# Altium PCB PT-MIS-PCB-001_v1.PcbDoc (part 1 of 2) (continued)
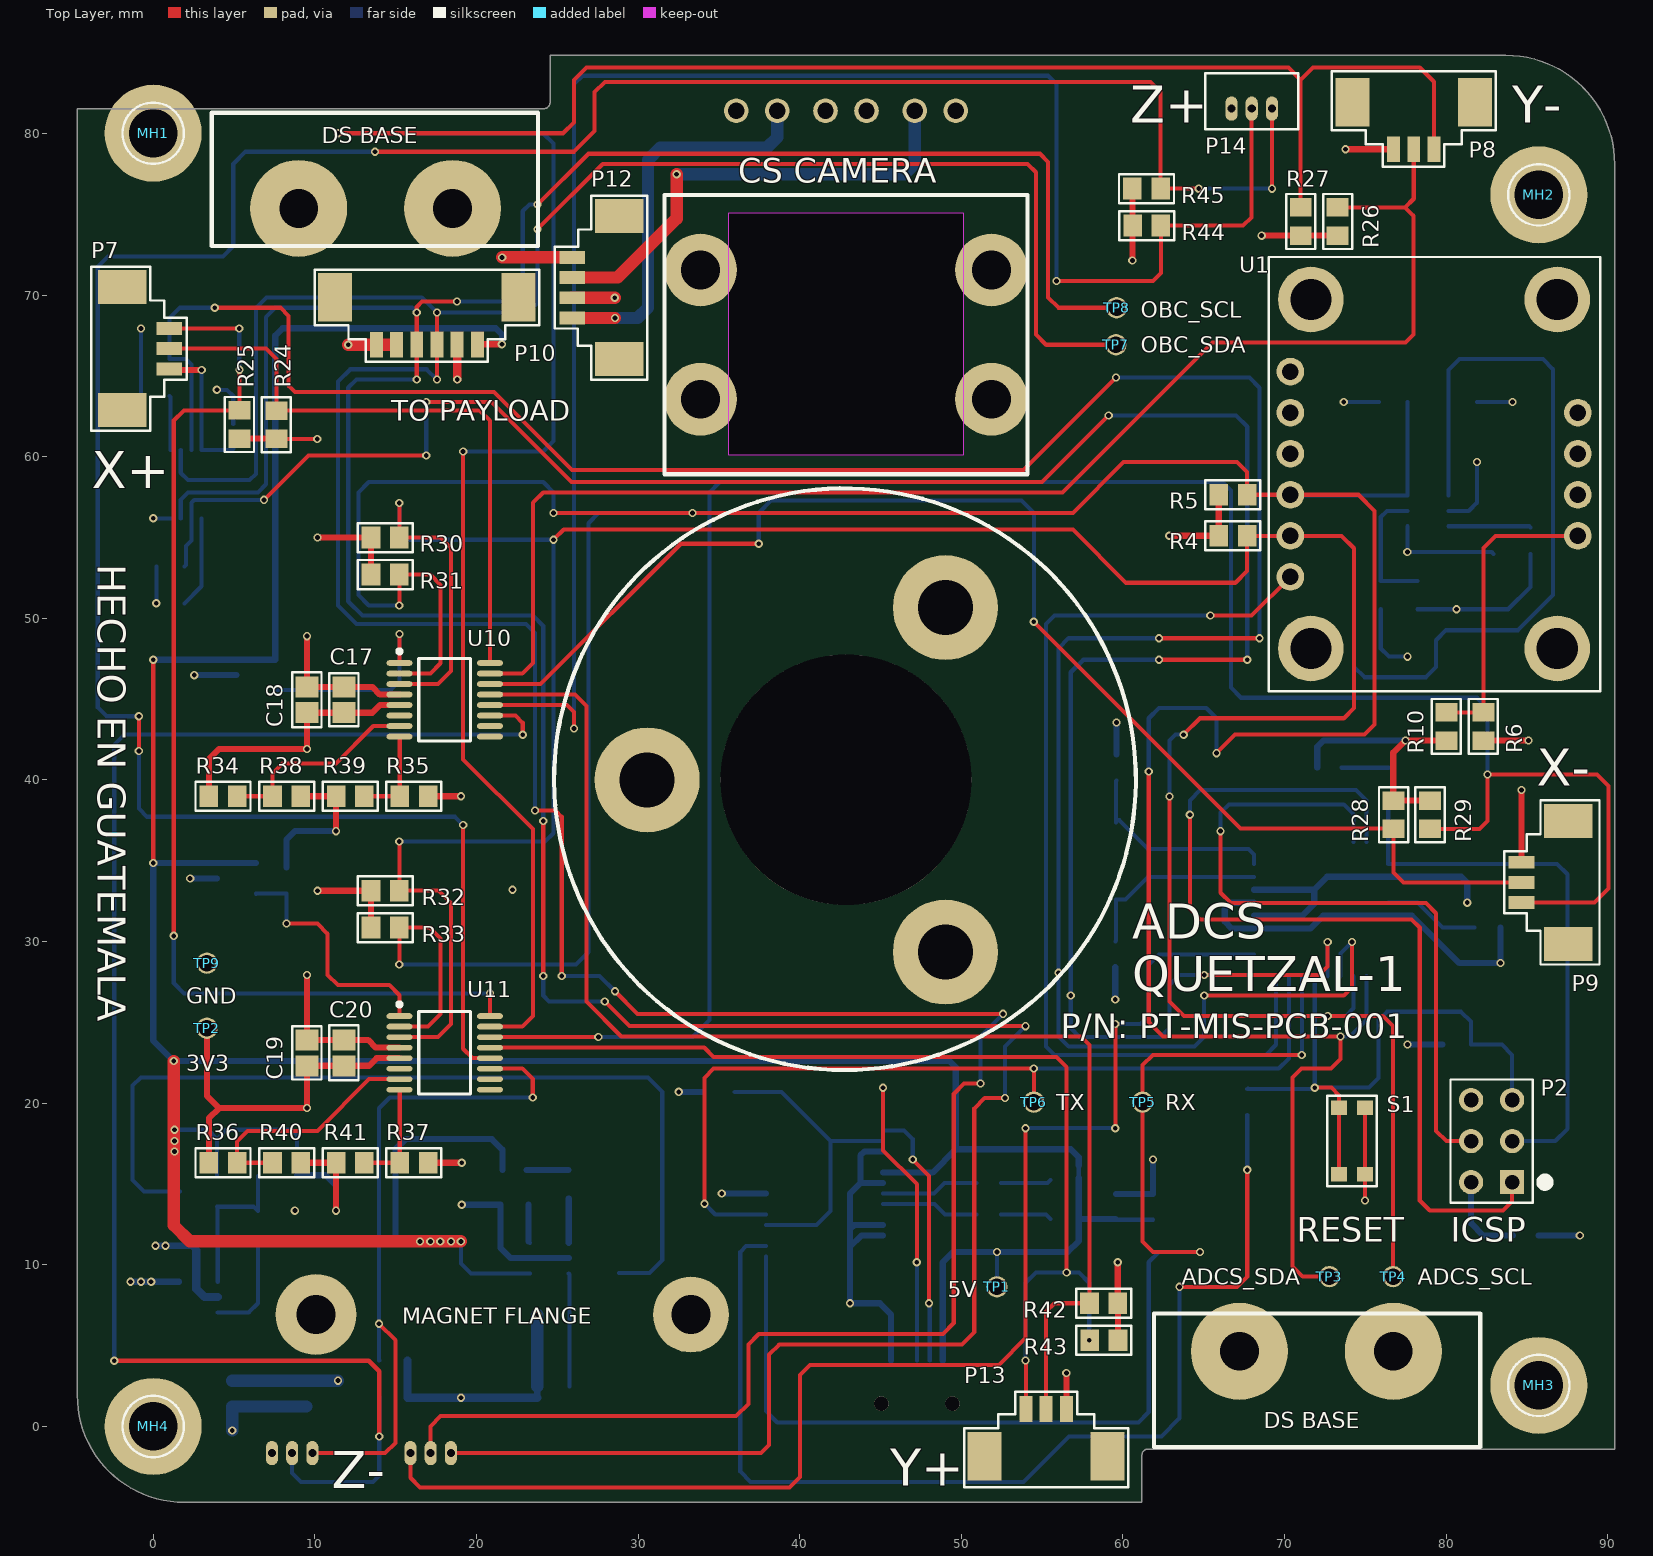
[diagram p0: Top Layer view]
## Components (designator, comment, footprint, x,y, rotation, side; value= is the part's Value field where it differs from the comment) (continued)
R11 "RC0805FR-0710KL" "RES 0805/2012" 78.213,51.435 r90 bottom
R12 "RPC0805JT100K" "RES 0805/2012" 8.89,16.417 r90 bottom
R13 "RNCP0805FTD1K00" "RES 0805/2012" 22.352,13.716 r180 bottom
R14 "RC0805FR-0710KL" "RES 0805/2012" 85.217,54.864 r90 bottom
R15 "RC0805FR-0710KL" "RES 0805/2012" 80.645,23.622 r180 bottom
R16 "RNCP0805FTD1K00" "RES 0805/2012" 56.388,12.827 r0 bottom
R17 "RNCP0805FTD1K00" "RES 0805/2012" 56.388,15.367 r0 bottom
R18 "RNCP0805FTD1K00" "RES 0805/2012" 76.418,39.878 r90 bottom
R19 "RC0805FR-0710ML" "RES 0805/2012" 64.389,34.859 r270 bottom
R20 "RR1220P-103-D" "RES 0805/2012" 0.127,63.754 r180 bottom
R21 "RR1220P-103-D" "RES 0805/2012" 0.127,66.04 r180 bottom
R22 "RR1220P-103-D" "RES 0805/2012" 1.067,53.213 r180 bottom
R23 "RPC0805JT100K" "RES 0805/2012" 1.067,50.927 r180 bottom
R24 "ERA6AEB5902V" "RES 0805/2012" 7.62,61.976 r90 top
R25 "ERA6AEB5902V" "RES 0805/2012" 5.334,61.99 r90 top
R26 "ERA6AEB5902V" "RES 0805/2012" 73.279,74.549 r90 top
R27 "ERA6AEB5902V" "RES 0805/2012" 70.993,74.549 r90 top
R28 "ERA6AEB5902V" "RES 0805/2012" 76.738,37.846 r270 top
R29 "ERA6AEB5902V" "RES 0805/2012" 78.994,37.846 r270 top
R30 "RR1220P-103-D" "RES 0805/2012" 14.351,54.991 r0 top
R31 "RR1220P-103-D" "RES 0805/2012" 14.351,52.705 r0 top
R32 "RR1220P-103-D" "RES 0805/2012" 14.351,33.147 r0 top
R33 "RR1220P-103-D" "RES 0805/2012" 14.351,30.861 r0 top
R34 "RR1220P-103-D" "RES 0805/2012" 4.318,38.989 r180 top
R35 "RR1220P-103-D" "RES 0805/2012" 16.129,38.989 r0 top
R36 "RR1220P-103-D" "RES 0805/2012" 4.318,16.316 r180 top
R37 "RR1220P-103-D" "RES 0805/2012" 16.129,16.316 r0 top
R38 "RR1220P-103-D" "RES 0805/2012" 8.255,38.989 r180 top
R39 "RR1220P-103-D" "RES 0805/2012" 12.192,38.989 r0 top
R40 "RR1220P-103-D" "RES 0805/2012" 8.255,16.316 r180 top
R41 "RR1220P-103-D" "RES 0805/2012" 12.192,16.316 r0 top
R42 "ERA6AEB5902V" "RES 0805/2012" 58.801,7.62 r180 top
R43 "ERA6AEB5902V" "RES 0805/2012" 58.815,5.334 r180 top
R44 "ERA6AEB5902V" "RES 0805/2012" 61.468,74.295 r0 top
R45 "ERA6AEB5902V" "RES 0805/2012" 61.454,76.581 r0 top
R46 "ERA6AEB5902V" "RES 0805/2012" 14.859,1.778 r180 bottom
R47 "ERA6AEB5902V" "RES 0805/2012" 14.859,4.08 r180 bottom
S1 "KMR631NGULCLFS" KMR631NGLFS 74.168,17.653 r90 top
TP1 "5V" TESTPOINT 52.197,8.636 r0 top
TP2 "3V3" Testpoint 3.324,24.638 r0 top
TP3 "ADCS_SDA" TESTPOINT 72.771,9.271 r0 top
TP4 "ADCS_ SCL" TESTPOINT 76.708,9.271 r0 top
TP5 "TX" TESTPOINT 61.214,20.066 r0 top
TP6 "RX" TESTPOINT 54.483,20.066 r0 top
TP7 "OBC_SDA" Testpoint 59.563,66.925 r90 top
TP8 "OBC_SCL" Testpoint 59.601,69.215 r90 top
TP9 "GND" TESTPOINT 3.324,28.664 r0 top
U1 "2472" "ADAFRUIT BNO055" 79.248,58.928 r0 top
U2 "TMP100AQDBVRQ1" SOT95P245X145-6N 78.867,56.642 r180 bottom
U3 "MCP73831T-2ATI/OT" SOT95P245X110-5N 24.511,10.414 r180 bottom
U4 "AP2112K-3.3TRG1" "DIODES SOT-23-5 W5" 2.794,8.001 r180 bottom
U5 "ATMEGA328P-AURCT-ND" 32A_L 72.263,32.004 r0 bottom
U6 "FT232RL-REEL" SOP65P790X200-28N 41.529,14.732 r0 bottom
U7 "LM4120AIM5-3.3/NOPB" SOT95P245X110-5N 6.35,46.482 r0 bottom
U8 "LM4120AIM5-3.3/NOPB" SOT95P245X110-5N 5.15,33.909 r0 bottom
U9 "TCA4311ADGKR" 8-MSOP 2.032,58.293 r90 bottom
U10 "ADC128D818CIMTX/NOPB" TSOP65P640X120-16N 18.034,44.958 r0 top
U11 "ADC128D818CIMTX/NOPB" TSOP65P640X120-16N 18.034,23.114 r0 top
Y1 "8MHz" ABM7-16.000MHZ-D2Y-T 59.563,34.925 r90 bottom

## Footprints (in the part's own frame and the unit in brackets; to place one, negate y for a bottom-side part, rotate by r counter-clockwise, add the part's x,y. Pads: shape width x height; smd on the part's side, far side on the other; paste and mask are expansions set on the pad)
8-MSOP [mil]
  rect 56x18 smd: 1(-83,38) 2(-83,13) 3(-83,-13) 4(-83,-38) 5(83,-38) 6(83,-13) 7(83,13) 8(83,38)
  silkscreen extent -86,-63 49,73, body extent -96,-59 96,59, height 38
32A_L [mm] "Thin QFP, 32-Leads, Body 7x7mm, Pitch 0.8mm, IPC High Density"
  oval 1.35x0.55 smd: 1(-4.15,2.8) 2(-4.15,2) 3(-4.15,1.2) 4(-4.15,0.4) 5(-4.15,-0.4) 6(-4.15,-1.2) 7(-4.15,-2) 8(-4.15,-2.8) 17(4.15,-2.8) 18(4.15,-2) 19(4.15,-1.2) 20(4.15,-0.4) 21(4.15,0.4) 22(4.15,1.2) 23(4.15,2) 24(4.15,2.8)
  oval 0.55x1.35 smd: 9(-2.8,-4.15) 10(-2,-4.15) 11(-1.2,-4.15) 12(-0.4,-4.15) 13(0.4,-4.15) 14(1.2,-4.15) 15(2,-4.15) 16(2.8,-4.15) 25(2.8,4.15) 26(2,4.15) 27(1.2,4.15) 28(0.4,4.15) 29(-0.4,4.15) 30(-1.2,4.15) 31(-2,4.15) 32(-2.8,4.15)
  silkscreen extent -4.27,-3.05 3.05,3.75, body extent -4.5,-4.5 4.5,4.5, height 1.44
67997-106HLF [mm]
  rect 1.5x1.5 hole 0.9: 1(-2.54,-1.27)
  round 1.5 hole 0.9: 2(-2.54,1.27) 3(0,-1.27) 4(0,1.27) 5(2.54,-1.27) 6(2.54,1.27)
  silkscreen extent -3.81,-2.54 3.81,2.54, body extent -3.81,-2.54 3.81,2.54, height 5.94
0530470310 [mm] "CONN HEADER 3POS 1.25MM VERT TIN"
  oval 0.75x1.5 hole 0.5: 1(-1.25,0) 2(0,0) 3(1.25,0)
  silkscreen extent -2.88,-2.17 2.88,1.28, body extent -2.75,-2.05 2.75,1.15, height 4.23
0532610371 [mm] "CONN HEADER 3POS 1.25MM R/A SMD"
  rect 2.1x3 smd: 0(-3.8,-1.45) 0(3.8,-1.45)
  rect 0.8x1.6 smd: 1(-1.25,1.45) 2(0,1.45) 3(1.25,1.45)
  silkscreen extent -5.07,-3.37 5.07,2.53, body extent -4.45,-3.28 4.45,1.92, height 3.38
0533980471 [mm] "CONN HEADER 4POS 1.25MM VERT SMD"
  rect 2.1x3 smd: 0(-4.425,-1.45) 0(4.425,-1.45)
  rect 0.8x1.6 smd: 1(-1.875,1.45) 2(-0.625,1.45) 3(0.625,1.45) 4(1.875,1.45)
  silkscreen extent -5.7,-3.18 5.7,2.53, body extent -5.08,-2.78 5.07,1.42, height 4.74
0533980671 [mm] "CONN HEADER 6POS 1.25MM VERT SMD"
  rect 2.1x3 smd: 0(-8.8,-2.925) 0(2.55,-2.925)
  rect 0.8x1.6 smd: 1(-6.25,-0.025) 2(-5,-0.025) 3(-3.75,-0.025) 4(-2.5,-0.025) 5(-1.25,0) 6(0,0)
  silkscreen extent -10.08,-4.65 3.83,1.05, body extent -9.45,-4.33 3.2,-0.13, height 4.68
61300211121 [mil]
  round 60 hole 40: 1(-50,0) 2(50,0)
  silkscreen extent -103,-53 103,53, body extent -100,-50 100,50, height 335
ABM7-16.000MHZ-D2Y-T [mm]
  rect 1.9x2.6 smd: 1(-2.45,0) 2(2.45,0)
  silkscreen extent -3.59,-1.78 3.65,2.03, body extent -3.09,-1.62 3.01,1.88, height 1.44
"ADAFRUIT BNO055" [mm]
  round 4.06 hole 2.54: 0(-7.62,-10.795) 0(-7.62,10.795) 0(7.62,-10.795) 0(7.62,10.795)
  round 1.71 hole 1.016: 1(-8.89,6.335) 2(-8.89,3.795) 3(-8.89,1.255) 4(-8.89,-1.285) 5(-8.89,-3.825) 6(-8.89,-6.365) 7(8.89,3.795) 8(8.89,1.255) 9(8.89,-1.285) 10(8.89,-3.825)
  silkscreen extent -10.23,-13.45 10.28,13.42, body extent -10.13,-13.35 10.19,13.32, height 6.69
"CAP 0805/2012" [mm]
  rect 1.3x1.4 smd: 1(-0.8,0) 2(0.8,0)
  silkscreen extent -1.65,-0.9 1.65,0.9, body extent -1,-0.64 1,0.64, height 1.26
"CAP 0805/2012 TANTALUM" [mm] "Chip Capacitor, 2-Leads, Body 2.00x1.20mm, IPC Medium Density"
  rect 1.3x1.4 smd: 1(-0.8,0) 2(0.8,0)
  silkscreen extent -1.7,-0.9 1.7,0.9, body extent -1.03,-0.62 1.03,0.63, height 1.09
"DIODES SOT-23-3" [mm] "SOT23, 3-Leads, Body 2.90x2.40mm, Pitch 0.95mm, IPC Medium Density"
  rect 0.95x0.65 smd: 1(-1.15,0.95) 2(1.15,0) 3(-1.15,-0.95)
  silkscreen extent -1.28,-1.5 0.7,1.95, body extent -1.41,-1.45 1.41,1.45, height 1.5
"DIODES SOT-23-5 W5" [mm] "SOT23, 5-Leads, Body 3.00x2.85mm, Pitch 0.95mm, IPC Medium Density"
  rect 0.8x0.55 smd: 1(-1.2,0.95) 2(-1.2,0) 3(-1.2,-0.95) 4(1.2,-0.95) 5(1.2,0.95)
  silkscreen extent -1.32,-1.55 0.45,1.9, body extent -1.41,-1.45 1.41,1.45, height 1.5
"FCI USB 10033526-N3212LF" [mm]
  rect 0.5x2.25 smd: 1(1.6,-3.826) 2(0.8,-3.826) 3(0,-3.826) 4(-0.8,-3.826) 5(-1.6,-3.826)
  round 0.9 hole 0.9 unplated: M(-2.2,-1.151) M(2.2,-1.151)
  rrect50% 2x2.5 smd: S(-4.45,-3.731) S(-4.45,1.719) S(4.45,-3.731) S(4.45,1.719)
  silkscreen extent -4.95,-4.7 4.95,4.69, body extent -4.95,-4.7 4.95,4.7, height 4.01
KMR631NGLFS [mm]
  rect 0.9x1 smd: 1(-2.05,0.8) 1(2.05,0.8) 2(-2.05,-0.8) 2(2.05,-0.8)
  silkscreen extent -2.79,-1.52 2.79,1.52, body extent -2.3,-1.4 2.3,1.4, height 1.92
"LED 0603/1608 GREEN" [mm] "Chip Diode, 2-Leads, Body 1.60x0.80mm, IPC Medium Density"
  rect 0.8x0.8 smd: 1(-0.75,0) 2(0.75,0)
  silkscreen extent -1.52,-0.7 1.52,0.7, body extent -0.8,-0.4 0.8,0.4, height 0.53
"LED 0603/1608 YELLOW" [mm] "Chip Diode, 2-Leads, Body 1.60x0.80mm, IPC Medium Density"
  rect 0.8x0.8 smd: 1(-0.75,0) 2(0.75,0)
  silkscreen extent -1.52,-0.7 1.52,0.7, body extent -0.8,-0.4 0.8,0.4, height 0.53
MH_3.8MMNC_2.5MMD_NON_COPPER_NPTH [mm] "Mounting Hole 3.8mm Diameter, 2.5mm Drill TH"
  round 6 hole 3: 1(0,0)
  silkscreen extent -1.9,-1.9 1.9,1.9
"RES 0805/2012" [mm]
  rect 1.15x1.35 smd: 1(-0.875,0) 2(0.875,0)
  silkscreen extent -1.7,-0.9 1.7,0.9, body extent -0.95,-0.62 1.05,0.63, height 0.6
S2B-PH-SM4-TB(LF)(SN) [mm]
  rect 1x4.6 smd: 1(1,2.6) 2(-1,2.6)
  rect 1.6x3.4 smd: ""(-3.4,-2.6) ""(3.4,-2.6)
  silkscreen extent -4.32,-4.32 4.06,4.06, body extent -4.08,-4.2 3.82,4.46, height 5.5
SOD123F [mm] "SODFL, 2-Leads, Body 1.60x3.50mm, IPC Medium Density"
  rect 1.2x1.2 smd: 1(-1.43,0) 2(1.43,0)
  silkscreen extent -2.41,-1.02 2.41,1.02, body extent -1.75,-0.8 1.75,0.8, height 1.1
SOP65P790X200-28N [mm] "SOP, 28-Leads, Body 10.20x5.30mm, Pitch 0.65mm, IPC Medium Density"
  oval 1.65x0.5 smd: 1(-3.625,4.225) 2(-3.625,3.575) 3(-3.625,2.925) 4(-3.625,2.275) 5(-3.625,1.625) 6(-3.625,0.975) 7(-3.625,0.325) 8(-3.625,-0.325) 9(-3.625,-0.975) 10(-3.625,-1.625) 11(-3.625,-2.275) 12(-3.625,-2.925) 13(-3.625,-3.575) 14(-3.625,-4.225) 15(3.625,-4.225) 16(3.625,-3.575) 17(3.625,-2.925) 18(3.625,-2.275) 19(3.625,-1.625) 20(3.625,-0.975) 21(3.625,-0.325) 22(3.625,0.325) 23(3.625,0.975) 24(3.625,1.625) 25(3.625,2.275) 26(3.625,2.925) 27(3.625,3.575) 28(3.625,4.225)
  silkscreen extent -3.75,-5.25 2.4,5.25, body extent -3.9,-5.1 3.9,5.1, height 1.9
SOT95P245X110-5N [mm] "SOT23, 5-Leads, Body 2.90x2.45mm, Pitch 0.95mm, IPC Medium Density"
  rect 1x0.6 smd: 1(-1.2,0.95) 2(-1.2,0) 3(-1.2,-0.95) 4(1.2,-0.95) 5(1.2,0.95)
  silkscreen extent -1.33,-1.5 0.3,1.92, body extent -1.36,-1.45 1.36,1.45, height 1.19
SOT95P245X145-6N [mm]
  rect 0.8x0.6 smd: 1(-1.275,0.95) 2(-1.275,0) 3(-1.275,-0.95) 4(1.275,-0.95) 5(1.275,0) 6(1.275,0.95)
  silkscreen extent -1.4,-1.55 0.5,1.92, body extent -1.21,-1.39 1.21,1.4, height 1.09
TESTPOINT [mil]
  round 52 hole 40: 1(0,0)
Testpoint [mil]
  round 52 hole 40: 1(0,0)
TSOP65P640X120-16N [mm] "TSOP, 16-Leads, Body 5.00x4.40mm, Pitch 0.65mm, IPC Medium Density"
  oval 1.6x0.35 smd: 1(-2.8,2.275) 2(-2.8,1.625) 3(-2.8,0.975) 4(-2.8,0.325) 5(-2.8,-0.325) 6(-2.8,-0.975) 7(-2.8,-1.625) 8(-2.8,-2.275) 9(2.8,-2.275) 10(2.8,-1.625) 11(2.8,-0.975) 12(2.8,-0.325) 13(2.8,0.325) 14(2.8,0.975) 15(2.8,1.625) 16(2.8,2.275)
  silkscreen extent -2.92,-2.55 1.6,3.12, body extent -3.21,-2.5 3.21,2.5, height 1.2

## Part data
C1 C4: "CAP CER 1UF 16V X7R 0805", Capacitance=1µF, Manufacturer=Yageo, Operating Temperature="-55°C ~ 125°C", Package / Case="0805 (2012 Metric)", Ratings=-, Standard Package=1, Supplier Part Number 1=311-1365-1-ND, Temperature Coefficient=X7R, Tolerance=±10%, Voltage - Rated=16V, Applications="General Purpose", Catalog Drawings=CC_0805_1.25, Category=Capacitors, ComponentLink1Description=https://datasheet.ciiva.com/144/mlccorderingcode-144902.pdf, ComponentLink1URL=https://datasheet.ciiva.com/144/mlccorderingcode-144902.pdf, ComponentLink2Description=https://datasheet.ciiva.com/13173/upy-gp-np0-16v-to-50v-8-3714-13173254.pdf, ComponentLink2URL=https://datasheet.ciiva.com/13173/upy-gp-np0-16v-to-50v-8-3714-13173254.pdf, ComponentLink3Description=https://datasheet.ciiva.com/15189/getdatasheetpartid-251802-15189206.pdf, ComponentLink3URL=https://datasheet.ciiva.com/15189/getdatasheetpartid-251802-15189206.pdf, ComponentLink4Description=https://datasheet.ciiva.com/144/mlccorderingcode-144903.pdf, ComponentLink4URL=https://datasheet.ciiva.com/144/mlccorderingcode-144903.pdf, ComponentLink5Description=https://datasheet.ciiva.com/144/mlccorderingcode-144904.pdf, ComponentLink5URL=https://datasheet.ciiva.com/144/mlccorderingcode-144904.pdf, ComponentLink6Description=https://datasheet.ciiva.com/7978/1489800-7978201.pdf, ComponentLink6URL=https://datasheet.ciiva.com/7978/1489800-7978201.pdf, ComponentLink7Description=https://datasheet.ciiva.com/28450/1489800-28450750.pdf, ComponentLink7URL=https://datasheet.ciiva.com/28450/1489800-28450750.pdf, ComponentLink8Description=https://datasheet.ciiva.com/11464/upy-gphc-x7r-6-3v-to-50v-8-11464750.pdf, ComponentLink8URL=https://datasheet.ciiva.com/11464/upy-gphc-x7r-6-3v-to-50v-8-11464750.pdf, Family="Ceramic Capacitors", Featured Product="Yageo - High Capacitance MLCC", Features=-, Height - Seated (Max)=-, Lead Spacing=-, Lead Style=-, Manufacturer Part Number=CC0805KKX7R7BB105, Mounting Type="Surface Mount, MLCC", Online Catalog="CC Series", Other Names=311-1365-6, Packaging=Digi-Reel®, Pricing 1="1=0.11, 10=0.079, 100=0.0352, 500=0.0252, 1000=0.0198 (USD)", Series=CC, Size / Dimension="0.079\" L x 0.049\" W (2.00mm x 1.25mm)", Stock 1=1004673, Supplier 1=Digi-Key, Thickness (Max)="0.049\" (1.25mm)"
C2 C3 C5 C10: "CAP CER 10UF 10V X5R 0805", Capacitance=10µF, Manufacturer="Taiyo Yuden", Operating Temperature="-55°C ~ 85°C", Package / Case="0805 (2012 Metric)", PCN Part Number="X5R, X7R Dielectrics 23/Jan/2008", Ratings=-, Standard Package=1, Supplier Part Number 1=587-1300-1-ND, Temperature Coefficient=X5R, Tolerance=±10%, Voltage - Rated=10V, Applications="General Purpose", Catalog Drawings="xMK Series_0805_1.25", Category=Capacitors, ComponentLink1Description=https://datasheet.ciiva.com/26872/getdatasheetpartid-638410-26872692.pdf, ComponentLink1URL=https://datasheet.ciiva.com/26872/getdatasheetpartid-638410-26872692.pdf, ComponentLink2Description=https://datasheet.ciiva.com/7975/1497285-7975797.pdf, ComponentLink2URL=https://datasheet.ciiva.com/7975/1497285-7975797.pdf, ComponentLink3Description=https://datasheet.ciiva.com/7975/1497285-7975799.pdf, ComponentLink3URL=https://datasheet.ciiva.com/7975/1497285-7975799.pdf, ComponentLink4Description=https://datasheet.ciiva.com/135/mlcc-all-e-135133.pdf, ComponentLink4URL=https://datasheet.ciiva.com/135/mlcc-all-e-135133.pdf, ComponentLink5Description=https://datasheet.ciiva.com/135/mlcc-all-e-135134.pdf, ComponentLink5URL=https://datasheet.ciiva.com/135/mlcc-all-e-135134.pdf, ComponentLink6Description=https://datasheet.ciiva.com/30259/719lmk212abj106kg-t-30259022.pdf, ComponentLink6URL=https://datasheet.ciiva.com/30259/719lmk212abj106kg-t-30259022.pdf, ComponentLink7Description=https://datasheet.ciiva.com/135/mlcc-all-e-135135.pdf, ComponentLink7URL=https://datasheet.ciiva.com/135/mlcc-all-e-135135.pdf, Family="Ceramic Capacitors", Featured Product="Multilayer Chip Capacitors", Features=-, Height - Seated (Max)=-, Kits="587-1797-KIT-ND  - KIT CAP CER HI CAP 0603 & 0805 S", Lead Spacing=-, Lead Style=-, Manufacturer Part Number=LMK212BJ106KG-T, Mounting Type="Surface Mount, MLCC", Online Catalog="M Series", Other Names=587-1300-1, Packaging="Cut Tape (CT)", Pricing 1="1=0.14, 10=0.1, 100=0.0468, 500=0.0328, 1000=0.0272 (USD)", Series=M, Size / Dimension="0.079\" L x 0.049\" W (2.00mm x 1.25mm)", Stock 1=858762, Supplier 1=Digi-Key, Thickness (Max)="0.053\" (1.35mm)"
C6 C7 C8: "CAP CER 0.1UF 50V X7R 0805", Capacitance=0.1µF, Manufacturer=TDK, Operating Temperature="-55°C ~ 125°C", Package / Case="0805 (2012 Metric)", PCN Part Number="MLCC Part Number Change 30/Nov/2012", Ratings=-, Standard Package=1, Supplier Part Number 1=445-7534-1-ND, Temperature Coefficient=X7R, Tolerance=±10%, Voltage - Rated=50V, Applications="General Purpose", Category=Capacitors, ComponentLink1Description=https://datasheet.ciiva.com/11788/0900766b80c1bb00-11788128.pdf, ComponentLink1URL=https://datasheet.ciiva.com/11788/0900766b80c1bb00-11788128.pdf, ComponentLink2Description=https://datasheet.ciiva.com/6250/tdkmlcccaprange-6250821.pdf, ComponentLink2URL=https://datasheet.ciiva.com/6250/tdkmlcccaprange-6250821.pdf, ComponentLink3Description=https://datasheet.ciiva.com/24217/c2012x7r1h104k085aa-264864-24217862.pdf, ComponentLink3URL=https://datasheet.ciiva.com/24217/c2012x7r1h104k085aa-264864-24217862.pdf, ComponentLink4Description=https://datasheet.ciiva.com/24191/e412-c-24191447.pdf, ComponentLink4URL=https://datasheet.ciiva.com/24191/e412-c-24191447.pdf, ComponentLink5Description=https://datasheet.ciiva.com/6250/tdkmlcccaprange-6250824.pdf, ComponentLink5URL=https://datasheet.ciiva.com/6250/tdkmlcccaprange-6250824.pdf, ComponentLink6Description=https://datasheet.ciiva.com/23803/1796654-23803035.pdf, ComponentLink6URL=https://datasheet.ciiva.com/23803/1796654-23803035.pdf, ComponentLink7Description=https://datasheet.ciiva.com/28602/1571323-28602204.pdf, ComponentLink7URL=https://datasheet.ciiva.com/28602/1571323-28602204.pdf, Family="Ceramic Capacitors", Features=-, Height - Seated (Max)=-, Kits="445-9015-KIT-ND  - KIT MLCC 1000PF-47UF 0805 10-50V", Lead Spacing=-, Lead Style=-, Manufacturer Part Number=C2012X7R1H104K085AA, Mounting Type="Surface Mount, MLCC", Online Catalog="C Series, General Purpose", Other Names=445-7534-1, Packaging="Cut Tape (CT)", Pricing 1="1=0.12, 10=0.086, 100=0.0403, 500=0.0282, 1000=0.0234 (USD)", Product Training Modules="C Series General Applications SEAT, CCV, and TVCL Design Tools Guide to Replacing an Electrolytic Capacitor with an MLCC", RoHS Information="RoHS Certificate-MLCC", Series=C, Size / Dimension="0.079\" L x 0.049\" W (2.00mm x 1.25mm)", Stock 1=6397, Supplier 1=Digi-Key, Thickness (Max)="0.037\" (0.95mm)"
C9 C14 C16 C17 C19: "Multilayer Ceramic Capacitors MLCC - SMD/SMT 25volts 0.1uF Y5V -20+80%", Capacitance=0.1µF, Capacitance - nF="100 nF", Capacitance - pF="100000 pF", Case Code - in=0805, Case Code - mm=2012, Case Height="0.9 mm", Case Length="2 mm", Case Width="1.2 mm", Dielectric=Y5V, Manufacturer=KEMET, Maximum Operating Temperature="+ 85 C", Minimum Operating Temperature="- 30 C", Operating Temperature Range="- 30 C to + 85 C", Package / Case="0805 (2012 metric)", Supplier Part Number 1=399-9158-1-ND, Temperature Coefficient / Code="- 82 %, + 22 %", Tolerance="- 20 %, + 80 %", Voltage Rating="25 V", Brand=Kemet, Class=3, ComponentLink1Description=http://www.farnell.com/datasheets/2112180.pdf, ComponentLink1URL=http://www.farnell.com/datasheets/2112180.pdf, ComponentLink2Description=http://www.mouser.com/ds/2/212/KEM_C1005_Y5V_SMD-1101305.pdf, ComponentLink2URL=http://www.mouser.com/ds/2/212/KEM_C1005_Y5V_SMD-1101305.pdf, ComponentLink3Description=https://search.kemet.com/component-edge/download/datasheet/C0805C104Z3VACTU.pdf, ComponentLink3URL=https://search.kemet.com/component-edge/download/datasheet/C0805C104Z3VACTU.pdf, ComponentLink4Description=http://capacitoredge.kemet.com/capedge2/DataSheet?pn=C0805C104Z3VACTU, ComponentLink4URL=http://capacitoredge.kemet.com/capedge2/DataSheet?pn=C0805C104Z3VACTU, ComponentLink5Description=http://components.arrow.com/part/dataview/2091117S3443012N7429, ComponentLink5URL=http://components.arrow.com/part/dataview/2091117S3443012N7429, Dimensions="1.2 mm W x 2 mm L x 0.9 mm H", Dissipation Factor DF=7, Factory Pack Quantity=4000, Lead Spacing="0.75 mm", Manufacturer Part Number=C0805C104Z3VACTU, Packaging=Reel, Part # Aliases=C0805C104Z3VAC7800, Pricing 1="1=0.1, 10=0.065, 100=0.0289, 500=0.0207, 1000=0.0162 (USD)", Product="General Type MLCCs", Product Category="Multilayer Ceramic Capacitors MLCC - SMD/SMT", RoHS=Details, Series=C0805C, Stock 1=70310, Supplier 1=Digi-Key, Termination Style=SMD/SMT, Type="Y5V Dielectric, Commercial", Voltage Rating DC="25 V"
C11 C12: "CAP CER 0.022UF 50V X7R 0402", Capacitance=0.022µF, Case Size="0402 (1005 Metric)", Dielectric=X7R, Manufacturer=Murata, Rated Voltage="50 V", Supplier Part Number 1=490-4763-1-ND, Tolerance (%)="±10 %", ComponentLink1Description=https://datasheet.ciiva.com/155/product-155890.pdf, ComponentLink1URL=https://datasheet.ciiva.com/155/product-155890.pdf, ComponentLink2Description=https://datasheet.ciiva.com/155/product-155891.pdf, ComponentLink2URL=https://datasheet.ciiva.com/155/product-155891.pdf, ComponentLink3Description=https://datasheet.ciiva.com/155/product-155892.pdf, ComponentLink3URL=https://datasheet.ciiva.com/155/product-155892.pdf, ComponentLink4Description=https://datasheet.ciiva.com/16199/product-16199333.pdf, ComponentLink4URL=https://datasheet.ciiva.com/16199/product-16199333.pdf, ComponentLink5Description=https://datasheet.ciiva.com/16624/product-16624552.pdf, ComponentLink5URL=https://datasheet.ciiva.com/16624/product-16624552.pdf, Manufacturer Part Number=GCM155R71H223KA55D, Pricing 1="1=0.1, 10=0.042, 100=0.0186, 500=0.0133, 1000=0.0104, 2500=0.0095, 5000=0.0087 (USD)", Stock 1=1313391, Supplier 1=Digi-Key
C13 C15: "CAP CER 18PF 50V NP0 0805", Capacitance=18pF, Case Style="Ceramic Chip", Manufacturer=KEMET, Operating Temp Range="-55C to 125C", Package / Case=0805, Supplier Part Number 1=399-1112-1-ND, Temp Coeff (Dielectric)=C0G, Tolerance (+ or -)=5%, Voltage=50VDC, ComponentLink1Description=https://datasheet.ciiva.com/6136/1725432-6136736.pdf, ComponentLink1URL=https://datasheet.ciiva.com/6136/1725432-6136736.pdf, ComponentLink2Description=https://datasheet.ciiva.com/144/docfinderpartnumber-c0805c180j5gactu-144929.pdf, ComponentLink2URL=https://datasheet.ciiva.com/144/docfinderpartnumber-c0805c180j5gactu-144929.pdf, ComponentLink3Description=https://datasheet.ciiva.com/22746/1769375-22746770.pdf, ComponentLink3URL=https://datasheet.ciiva.com/22746/1769375-22746770.pdf, ComponentLink4Description=https://datasheet.ciiva.com/28696/1789732-28696024.pdf, ComponentLink4URL=https://datasheet.ciiva.com/28696/1789732-28696024.pdf, ComponentLink5Description=https://datasheet.ciiva.com/7842/1725432-7842235.pdf, ComponentLink5URL=https://datasheet.ciiva.com/7842/1725432-7842235.pdf, ComponentLink6Description=https://datasheet.ciiva.com/11463/kem-c1003-c0g-smd-11463499.pdf, ComponentLink6URL=https://datasheet.ciiva.com/11463/kem-c1003-c0g-smd-11463499.pdf, ComponentLink7Description=https://datasheet.ciiva.com/7842/1725432-7842236.pdf, ComponentLink7URL=https://datasheet.ciiva.com/7842/1725432-7842236.pdf, ComponentLink8Description=https://datasheet.ciiva.com/26923/getdatasheetpartid-759702-26923980.pdf, ComponentLink8URL=https://datasheet.ciiva.com/26923/getdatasheetpartid-759702-26923980.pdf, ComponentLink9Description=https://datasheet.ciiva.com/5419/kem-c1003-c0g-smd-356956-5419246.pdf, ComponentLink9URL=https://datasheet.ciiva.com/5419/kem-c1003-c0g-smd-356956-5419246.pdf, Construction="SMT Chip", Failure Rate="Not Required", Manufacturer Part Number=C0805C180J5GAC-TU, Mounting Style="Surface Mount", Packaging="Tape and Reel", Pricing 1="1=0.11, 10=0.08, 100=0.0374, 500=0.0262, 1000=0.0217 (USD)", Product Depth (mm)="1.25 mm", Product Diameter (mm)="Not Required mm", Product Height (mm)="0.78 mm", Product Length (mm)="2 mm", Rad Hardened=No, Stock 1=86172, Supplier 1=Digi-Key, Wire Form="Not Required"
C18 C20: "CAP TANT 1UF 16V 20% 0805", Capacitance=1µF, Manufacturer="Kyocera AVX", Supplier Part Number 1=478-8126-6-ND, ComponentLink1Description=http://www.mouser.com/ds/2/40/f92-776551.pdf, ComponentLink1URL=http://www.mouser.com/ds/2/40/f92-776551.pdf, ComponentLink2Description=http://datasheets.avx.com/f92.pdf, ComponentLink2URL=http://datasheets.avx.com/f92.pdf, Manufacturer Part Number=F921C105MPA, Pricing 1="1=0.39, 10=0.274, 100=0.1641, 500=0.1231, 1000=0.1039 (USD)", Stock 1=35413, Supplier 1=Digi-Key
D1 D3 D5: "LED 1.6X0.8MM 590NM YLW CLR SMD", Color=Yellow, Current - Test=20mA, Manufacturer=Kingbright, Millicandela Rating=150mcd, Package / Case="0603 (1608 Metric)", Standard Package=2,000, Supplier Part Number 1=754-1124-1-ND, Voltage - Forward (Vf) (Typ)=2V, 3D Model="APT1608x.sldprt /  / APT1608x.pro /  / APT1608x.igs /  / APT1608x.stp", Catalog Drawings="APT1608 Series Top /  / APT1608 Series Side", Category=Optoelectronics, ComponentLink1Description=https://datasheet.ciiva.com/2113/apt1608syck-2113824.pdf, ComponentLink1URL=https://datasheet.ciiva.com/2113/apt1608syck-2113824.pdf, ComponentLink2Description=https://datasheet.ciiva.com/2113/apt1608syck-2113825.pdf, ComponentLink2URL=https://datasheet.ciiva.com/2113/apt1608syck-2113825.pdf, ComponentLink3Description=https://datasheet.ciiva.com/2113/apt1608syck-2113826.pdf, ComponentLink3URL=https://datasheet.ciiva.com/2113/apt1608syck-2113826.pdf, ComponentLink4Description=https://datasheet.ciiva.com/4688/apt1608syck-35136-4688900.pdf, ComponentLink4URL=https://datasheet.ciiva.com/4688/apt1608syck-35136-4688900.pdf, ComponentLink5Description=https://datasheet.ciiva.com/14603/70062842-14603786.pdf, ComponentLink5URL=https://datasheet.ciiva.com/14603/70062842-14603786.pdf, Family="LED Indication - Discrete", Height=0.75mm, Lens Style/Size="Rectangle with Flat Top, 1.2mm x 0.8mm", Lens Type=Clear, Manufacturer Part Number=APT1608SYCK, Mounting Type="Surface Mount", Online Catalog="0603 Rectangle with Flat Top Chip LEDs", Other Names=754-1124-2, Packaging="Tape & Reel (TR)", Pricing 1="1=0.43, 10=0.307, 25=0.2352, 100=0.1535, 250=0.1125, 500=0.0955, 1000=0.0784 (USD)", Size / Dimension="1.60mm L x 0.80mm W", Stock 1=241560, Supplier 1=Digi-Key, Viewing Angle=120°, Wavelength - Dominant=590nm, Wavelength - Peak=590nm
D2: "Schottky Diodes & Rectifiers 1A 20V", Capacitance @ Vr, F=-, Current - Average Rectified (Io)=1A, Current - Reverse Leakage @ Vr="600µA @ 20V", Manufacturer="ON Semiconductor", Operating Temperature - Junction="-65°C ~ 125°C", Package / Case=SOD-123F, Standard Package=1, Supplier Device Package=SOD-123FL, Supplier Part Number 1=MBR120VLSFT3GOSCT-ND, Voltage - DC Reverse (Vr) (Max)=20V, Voltage - Forward (Vf) (Max) @ If="340mV @ 1A", Category="Discrete Semiconductor Products", ComponentLink1Description=https://datasheet.ciiva.com/4715/mbr120vlsft1-d-107081-4715104.pdf, ComponentLink1URL=https://datasheet.ciiva.com/4715/mbr120vlsft1-d-107081-4715104.pdf, ComponentLink2Description=https://datasheet.ciiva.com/6380/mbr120vlsft1-d-6380907.pdf, ComponentLink2URL=https://datasheet.ciiva.com/6380/mbr120vlsft1-d-6380907.pdf, ComponentLink3Description=https://datasheet.ciiva.com/8294/mbr120vlsft1-d-8294603.pdf, ComponentLink3URL=https://datasheet.ciiva.com/8294/mbr120vlsft1-d-8294603.pdf, ComponentLink4Description=https://datasheet.ciiva.com/6380/mbr120vlsft1-d-6380910.pdf, ComponentLink4URL=https://datasheet.ciiva.com/6380/mbr120vlsft1-d-6380910.pdf, Diode Type=Schottky, Family="Diodes, Rectifiers - Single", Manufacturer Part Number=MBR120VLSFT3G, Mounting Type="Surface Mount", Online Catalog="Schottky Diode", Other Names=MBR120VLSFT3GOSDKR, Packaging=Digi-Reel®, PCN Design/Specification="SOD123-FL Package Height 13/Sep/2013", Pricing 1="1=0.42, 10=0.338, 100=0.2298, 500=0.1723, 1000=0.1293 (USD)", Reverse Recovery Time (trr)=-, Series=-, Speed="Fast Recovery =  200mA (Io)", Stock 1=5944, Supplier 1=Digi-Key
D4: "LED 1.6X0.8MM 568NM GRN CLR SMD", Color=Green, Current - Test=20mA, Manufacturer=Kingbright, Millicandela Rating=15mcd, Package / Case="0603 (1608 Metric)", Standard Package=2,000, Supplier Part Number 1=754-1121-1-ND, Voltage - Forward (Vf) (Typ)=2.2V, 3D Model="APT1608x.sldprt /  / APT1608x.pro /  / APT1608x.igs /  / APT1608x.stp", Catalog Drawings="APT1608 Series Top /  / APT1608 Series Side", Category=Optoelectronics, ComponentLink1Description=https://datasheet.ciiva.com/2113/apt1608sgc-2113808.pdf, ComponentLink1URL=https://datasheet.ciiva.com/2113/apt1608sgc-2113808.pdf, ComponentLink2Description=https://datasheet.ciiva.com/12400/apt1608sgc-32861-12400932.pdf, ComponentLink2URL=https://datasheet.ciiva.com/12400/apt1608sgc-32861-12400932.pdf, ComponentLink3Description=https://datasheet.ciiva.com/14603/70062839-14603927.pdf, ComponentLink3URL=https://datasheet.ciiva.com/14603/70062839-14603927.pdf, Family="LED Indication - Discrete", Height=0.75mm, Lens Style/Size="Rectangle with Flat Top, 1.2mm x 0.8mm", Lens Type=Clear, Manufacturer Part Number=APT1608SGC, Mounting Type="Surface Mount", Online Catalog="0603 Rectangle with Flat Top Chip LEDs", Other Names=754-1121-2, Packaging="Tape & Reel (TR)", Pricing 1="1=0.39, 10=0.282, 25=0.208, 100=0.1485, 250=0.101, 500=0.0891, 1000=0.0698 (USD)", Size / Dimension="1.60mm L x 0.80mm W", Stock 1=466268, Supplier 1=Digi-Key, Supplier 2=Digi-Key, Supplier Part Number 2=311-10.0MCRCT-ND, Viewing Angle=120°, Wavelength - Dominant=568nm, Wavelength - Peak=565nm
MH1 MH2 MH3 MH4: library part MH_3.8MMNC_2MMD, "Mounting Hole 3.8mm Diameter (Non Copper), 2.5mm Drill NPTH"
P1: library part S2B-PH-SM4-TB(LF)(SN), "2 Positions Header, Shrouded Connector 0.079\" (2.00mm) Surface Mount, Right Angle Tin", Manufacturer=JST, Supplier Part Number 1=455-1749-1-ND, ComponentLink1Description=https://datasheet.ciiva.com/11747/0900766b80df0d9d-11747104.pdf, ComponentLink1URL=https://datasheet.ciiva.com/11747/0900766b80df0d9d-11747104.pdf, ComponentLink2Description=https://datasheet.ciiva.com/712/eph-712514.pdf, ComponentLink2URL=https://datasheet.ciiva.com/712/eph-712514.pdf, ComponentLink3Description=https://datasheet.ciiva.com/712/eph-712515.pdf, ComponentLink3URL=https://datasheet.ciiva.com/712/eph-712515.pdf, ComponentLink4Description=https://datasheet.ciiva.com/712/eph-712516.pdf, ComponentLink4URL=https://datasheet.ciiva.com/712/eph-712516.pdf, ComponentLink5Description=https://datasheet.ciiva.com/16199/s2b-ph-sm4-tblfsn-16199686.pdf, ComponentLink5URL=https://datasheet.ciiva.com/16199/s2b-ph-sm4-tblfsn-16199686.pdf, ComponentLink6Description=https://datasheet.ciiva.com/26894/getdatasheetpartid-406256-26894907.pdf, ComponentLink6URL=https://datasheet.ciiva.com/26894/getdatasheetpartid-406256-26894907.pdf, Manufacturer Part Number=S2B-PH-SM4-TB(LF)(SN), No of Positions=2, Pitch="2 mm", Pricing 1="1=0.58, 10=0.547, 100=0.4194, 500=0.3647 (USD)", Stock 1=113530, Style/Orientation="Right Angle Header/Plug", Supplier 1=Digi-Key, Termination=Crimp, Type="Shrouded Header"
P2: "6 Positions Header, Unshrouded Connector 0.100\" (2.54mm) Through Hole Gold or Gold, GXT™", Manufacturer="Amphenol FCI", Supplier Part Number 1=609-3393-ND, ComponentLink1Description=https://datasheet.ciiva.com/10149/67996-10149221.pdf, ComponentLink1URL=https://datasheet.ciiva.com/10149/67996-10149221.pdf, ComponentLink2Description=https://datasheet.ciiva.com/46393/1876884-46393067.pdf, ComponentLink2URL=https://datasheet.ciiva.com/46393/1876884-46393067.pdf, ComponentLink3Description=https://datasheet.ciiva.com/722/67996-722044.pdf, ComponentLink3URL=https://datasheet.ciiva.com/722/67996-722044.pdf, ComponentLink4Description=https://datasheet.ciiva.com/5153/67996-222463-5153820.pdf, ComponentLink4URL=https://datasheet.ciiva.com/5153/67996-222463-5153820.pdf, ComponentLink5Description=https://datasheet.ciiva.com/16726/67996-16726286.pdf, ComponentLink5URL=https://datasheet.ciiva.com/16726/67996-16726286.pdf, Contact Material="Phosphor Bronze", Contact Plating=Gold, Contact Termination="Through Hole Vertical", Gender=Header, Manufacturer Part Number=67997-106HLF, No. of Contacts=6, No. of Rows=2, Pitch Spacing=2.54mm, Pricing 1="1=1.73, 10=1.568, 100=1.3436, 500=1.1197, 1000=0.9597, 5000=0.8509, 10000=0.8317 (USD)", Series=67997, Stock 1=896, Supplier 1=Digi-Key
P3: "Conn Mini USB Type B RCP 5 POS 0.8mm Solder RA SMD 5 Terminal 1 Port T/R", Color=Black, Flammability Rating="UL 94 V-0", Insulation Resistance="100 MOhms", Manufacturer="Amphenol FCI", Supplier Part Number 1=609-4700-1-ND, Brand=FCI, ComponentLink1Description=https://datasheet.ciiva.com/15181/getdatasheetpartid-168038-15181221.pdf, ComponentLink1URL=https://datasheet.ciiva.com/15181/getdatasheetpartid-168038-15181221.pdf, ComponentLink2Description=https://datasheet.ciiva.com/29660/10033526-29660229.pdf, ComponentLink2URL=https://datasheet.ciiva.com/29660/10033526-29660229.pdf, ComponentLink3Description=https://datasheet.ciiva.com/29660/10033526-29660230.pdf, ComponentLink3URL=https://datasheet.ciiva.com/29660/10033526-29660230.pdf, ComponentLink4Description=https://datasheet.ciiva.com/3094/10033526-3094696.pdf, ComponentLink4URL=https://datasheet.ciiva.com/3094/10033526-3094696.pdf, ComponentLink5Description=https://datasheet.ciiva.com/16668/10033526-16668584.pdf, ComponentLink5URL=https://datasheet.ciiva.com/16668/10033526-16668584.pdf, ComponentLink6Description=https://datasheet.ciiva.com/3094/10033526-3094413.pdf, ComponentLink6URL=https://datasheet.ciiva.com/3094/10033526-3094413.pdf, Connector Type="Mini USB Type B Receptacle", Contact Material="Copper Alloy", Contact Plating=Gold, Factory Pack Quantity=750, Gender=Female, Manufacturer Part Number=10033526-N3212LF, Mounting Angle=Right, Number of Contacts="5 Contact", Number of Ports="1 Port", Packaging=Reel, Pricing 1="1=0.71, 10=0.669, 25=0.602, 50=0.5352, 100=0.5128, 250=0.4682 (USD)", Product="Mini USB Type B Connectors", Product Category="USB Connectors", RoHS=Details, Shell Plating=Nickel, Standard=USB, Stock 1=10314, Supplier 1=Digi-Key, Termination Style="Solder Pad"
P4 P5 P6: "Headers & Wire Housings WR-PHD 2.54mm Header 2P THT", Colour=Black, Current Rating=3A, Manufacturer="Wurth Electronics", Max Operating Temperature=125°C, Min Operating Temperature=-40°C, Supplier Part Number 1=732-5315-ND, Voltage Rating=250V, ComponentLink1Description=https://datasheet.ciiva.com/13619/6130xx11121-48870-13619345.pdf, ComponentLink1URL=https://datasheet.ciiva.com/13619/6130xx11121-48870-13619345.pdf, Connector Type="Male Pin", Contact Gender=Male, Contact Material="Copper,Copper Alloy", Contact Mating Length=0.236inch, Contact Plating=Gold, Gender=Male, Housing Material=PBT, Lead Free="Lead Free", Manufacturer Part Number=61300211121, Mount="Through Hole", Number of Contacts=2, Number of Positions=2, Number of Rows=1, Packaging=Bulk, Pitch=0.1inch, Pricing 1="1=0.13, 10=0.106, 25=0.088, 50=0.074, 100=0.067, 1000=0.061 (USD)", REACH SVHC=Unknown, Stock 1=98753, Supplier 1=Digi-Key, Termination="Through Hole"
P7 P8 P9 P13: "3 Positions Header, Shrouded Connector 0.049\" (1.25mm) Surface Mount, Right Angle Tin", Color=Natural, Manufacturer=Molex, Supplier Part Number 1=WM7621CT-ND, Category="Connectors, Interconnects", ComponentLink1Description=https://datasheet.ciiva.com/392/532610371-sd-392113.pdf, ComponentLink1URL=https://datasheet.ciiva.com/392/532610371-sd-392113.pdf, ComponentLink2Description=https://datasheet.ciiva.com/392/532610371-sd-392114.pdf, ComponentLink2URL=https://datasheet.ciiva.com/392/532610371-sd-392114.pdf, ComponentLink3Description=https://datasheet.ciiva.com/392/532610371-sd-392115.pdf, ComponentLink3URL=https://datasheet.ciiva.com/392/532610371-sd-392115.pdf, ComponentLink4Description=https://datasheet.ciiva.com/3117/0532610371-pcb-headers-3117604.pdf, ComponentLink4URL=https://datasheet.ciiva.com/3117/0532610371-pcb-headers-3117604.pdf, ComponentLink5Description=https://datasheet.ciiva.com/3117/0532610371-pcb-headers-3117605.pdf, ComponentLink5URL=https://datasheet.ciiva.com/3117/0532610371-pcb-headers-3117605.pdf, ComponentLink6Description=https://datasheet.ciiva.com/3932/333250532610371-pcb-headers-3932824.pdf, ComponentLink6URL=https://datasheet.ciiva.com/3932/333250532610371-pcb-headers-3932824.pdf, ComponentLink7Description=https://datasheet.ciiva.com/48768/0532610371-pcb-headers-48768286.pdf, ComponentLink7URL=https://datasheet.ciiva.com/48768/0532610371-pcb-headers-48768286.pdf, Connector Type="Header, Shrouded", Contact Finish=Tin, Contact Finish Thickness="39µin (1.00µm)", Contact Mating Length=-, Contact Type="Blade Pin", Family="Rectangular Connectors - Headers, Male Pins", Fastening Type=-, Features="Solder Retention", Manufacturer Part Number=0532610371, Mounting Type="Surface Mount, Right Angle", Number of Positions=3, Number of Positions Loaded=All, Number of Rows=1, Packaging="Cut Tape (CT)", Pitch="0.049\" (1.25mm)", Pricing 1="1=1.13, 10=0.995, 100=0.8586, 500=0.7025 (USD)", Row Spacing=-, Series="PicoBlade™ 53261", Stock 1=28698, Supplier 1=Digi-Key, Termination=Solder